# Altium PCB button_PVT_P5_201800706.PcbDoc
Units mm, origin at the board's own origin, x right, y up, seen from the top; angles counter-clockwise.
Board outline 28.62 x 28.62 mm, 2 copper layers (Top Layer, Bottom Layer), stack 0.6 mm thick; 92 components, 56 nets, 266 pads, 249 vias.
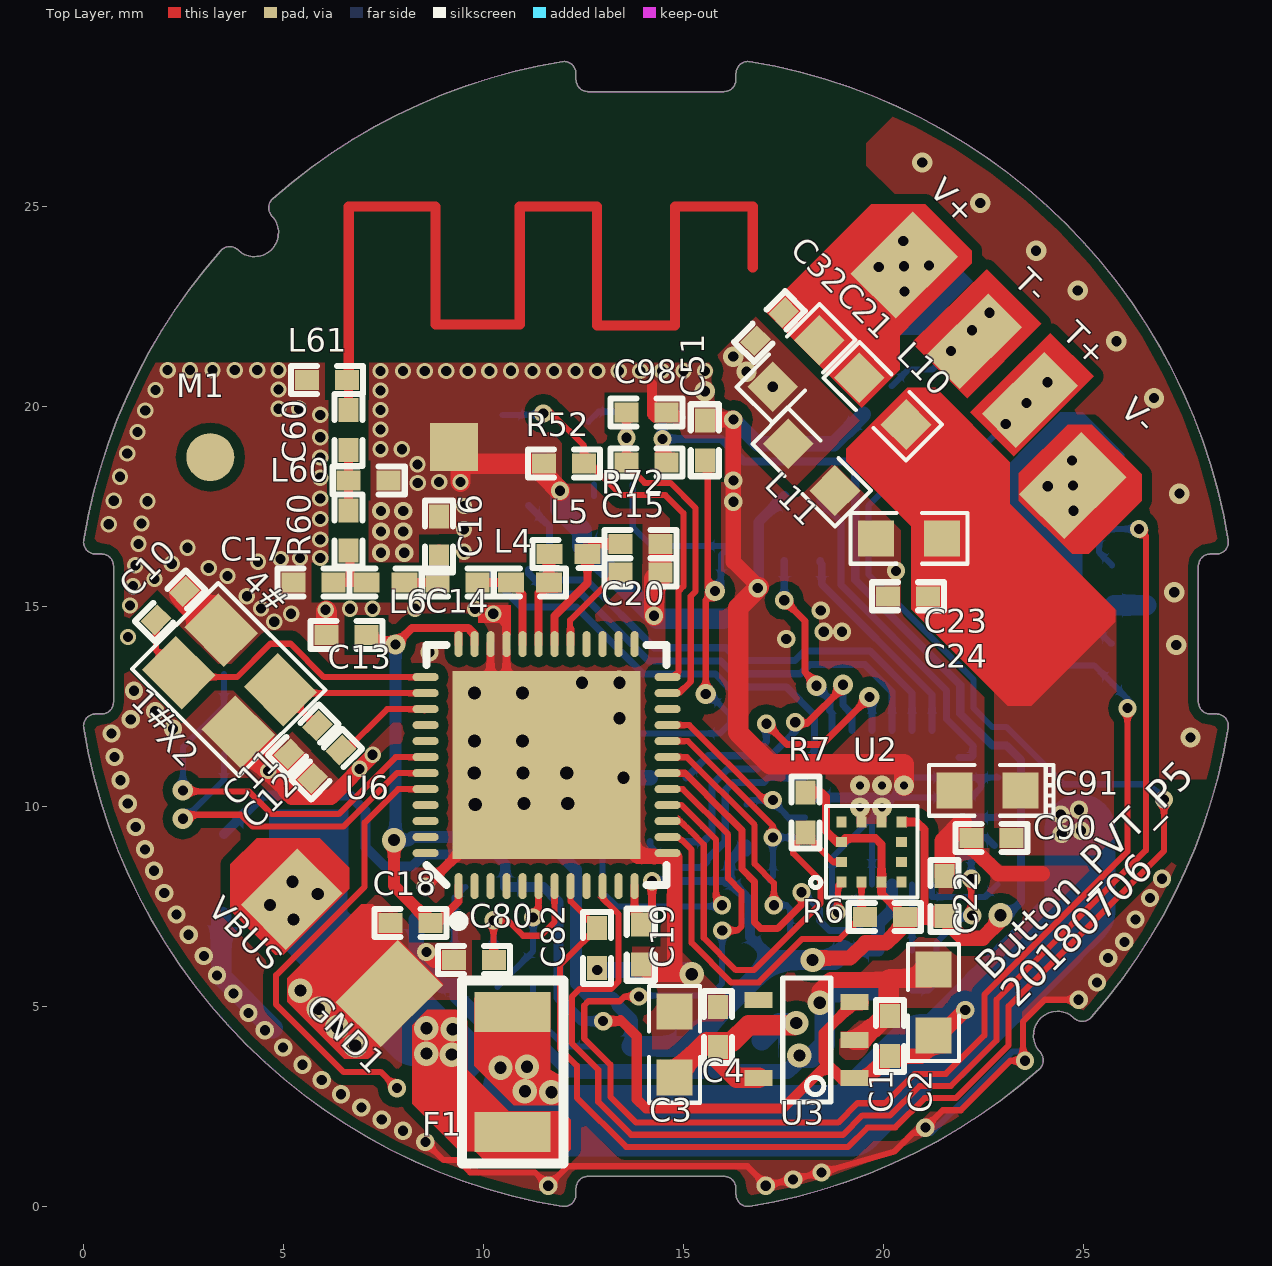
[diagram p0: Top Layer view]
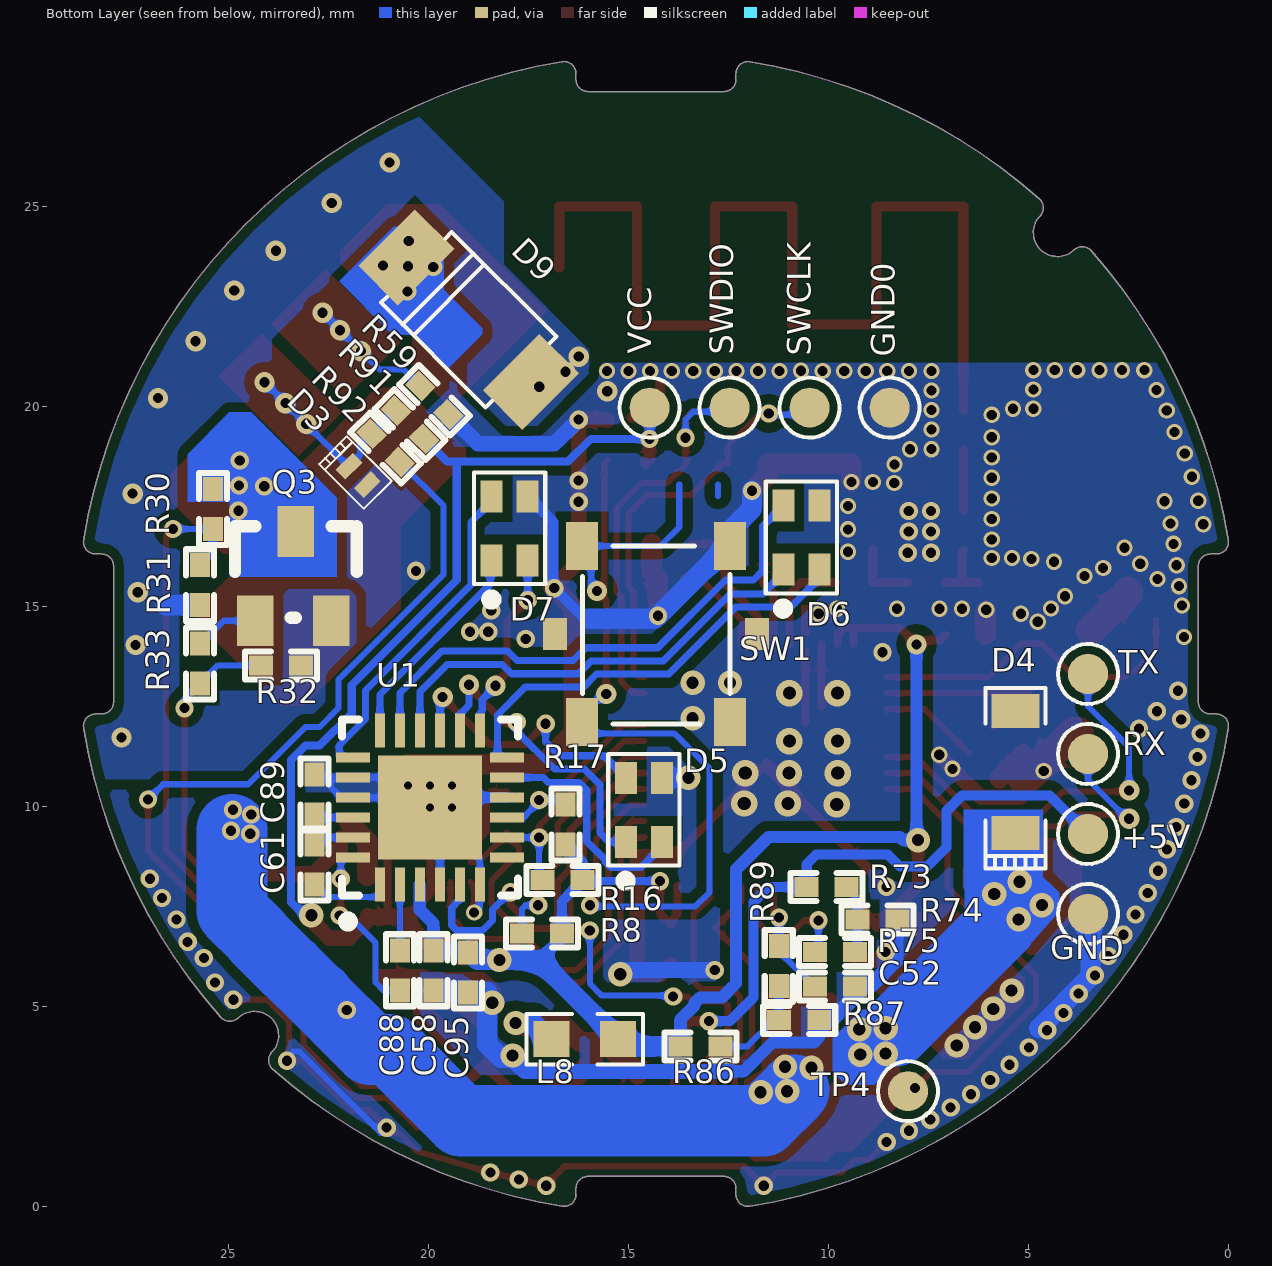
[diagram p1: Bottom Layer view, seen from below]
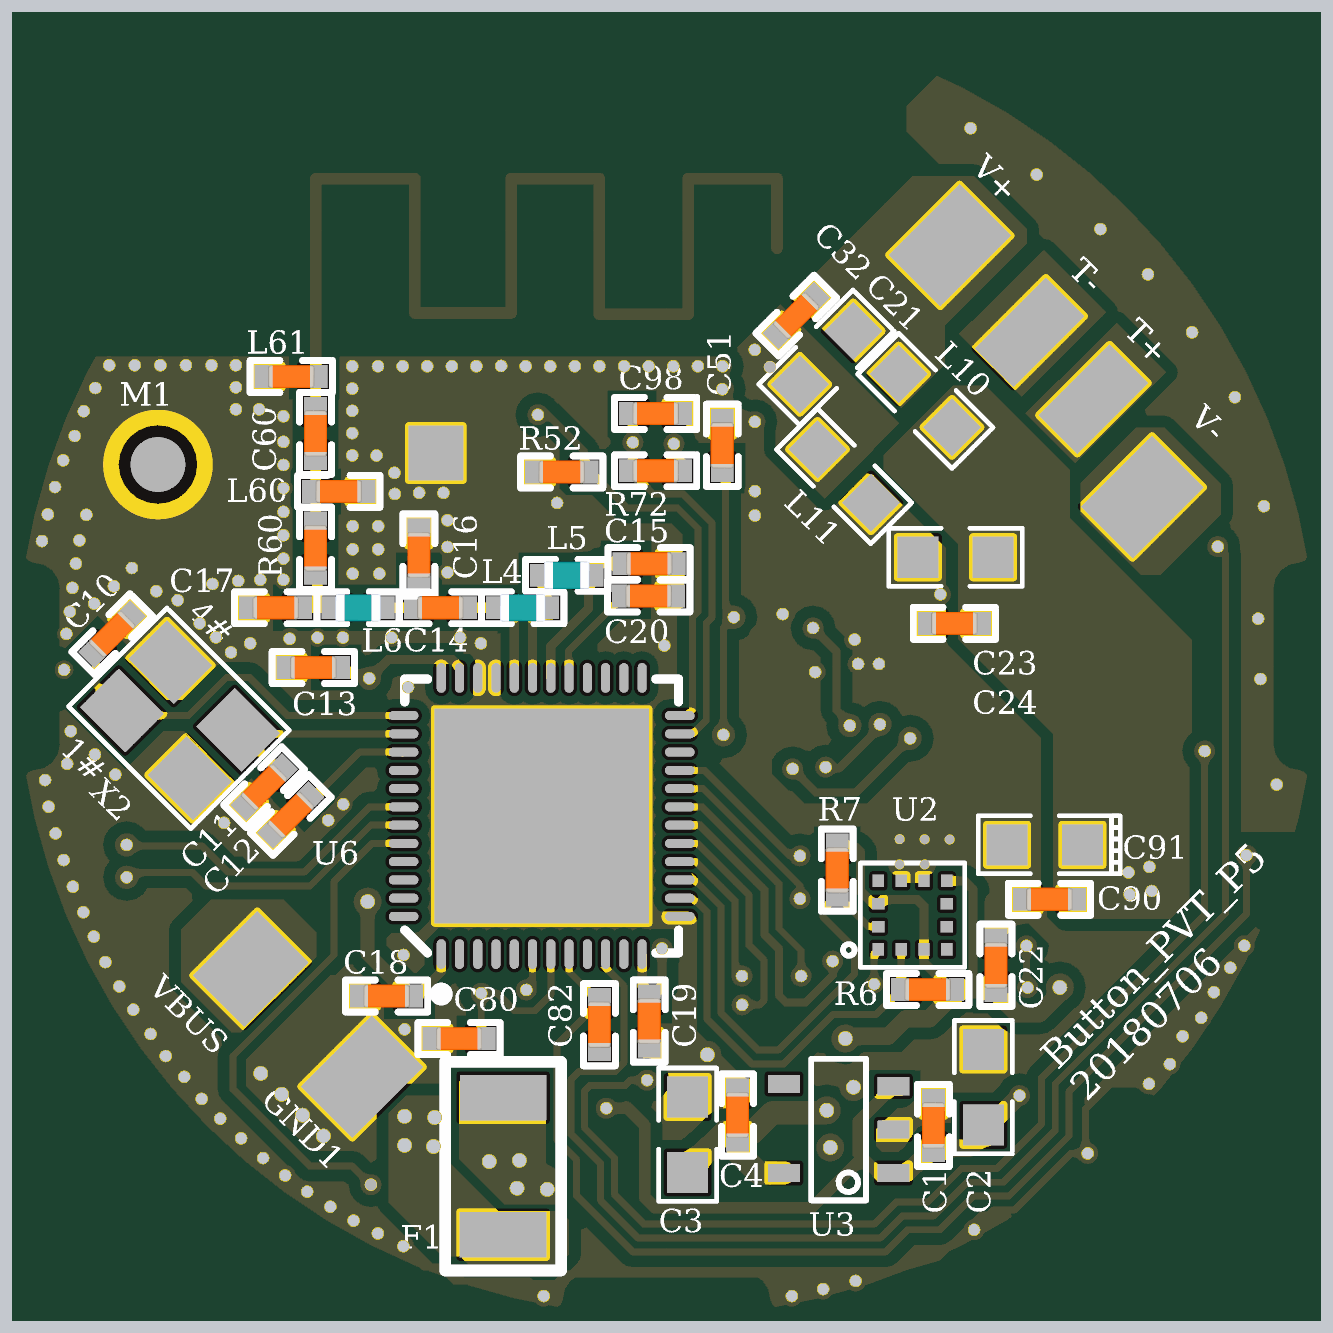
[diagram p2: 3D render of the assembled board from above, using the file's embedded part models]
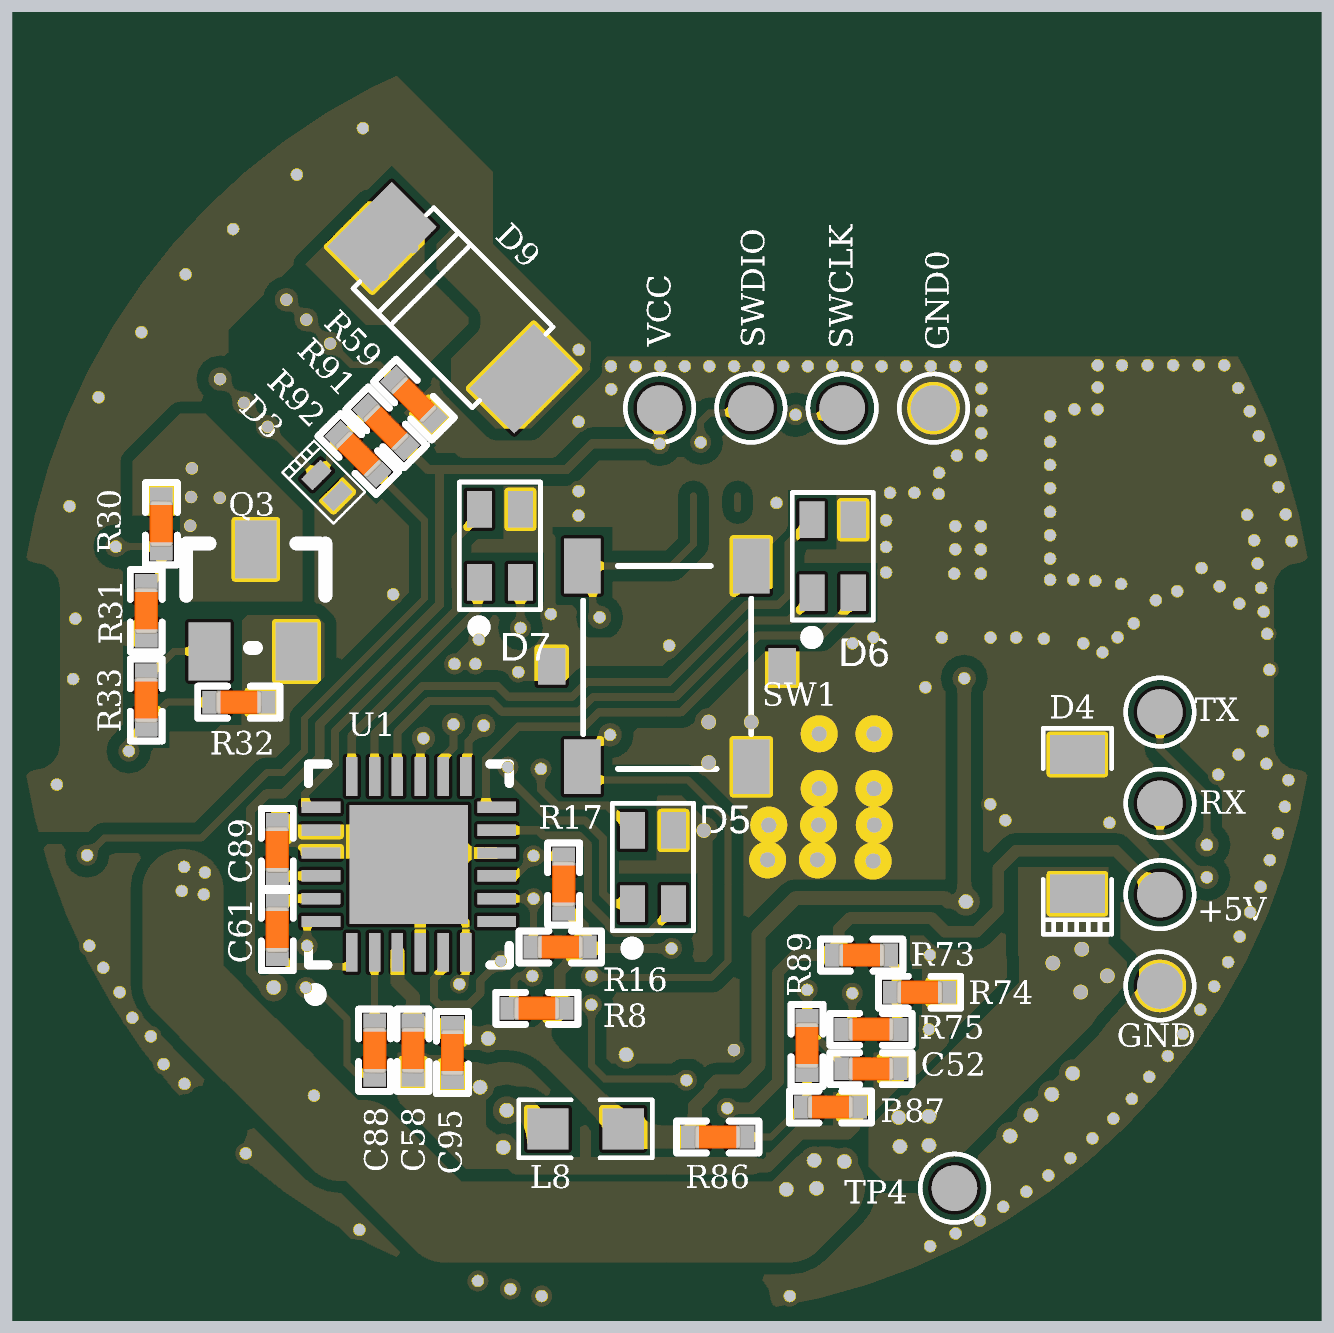
[diagram p3: 3D render of the assembled board from below, using the file's embedded part models]

## Layer stack, top to bottom
Top Solder: solder mask 0.1, Solder Resist, Dk 1.5
Top Layer: signal copper 0.15
Dielectric1: core 0.4, FR-4, Dk 1.8
Bottom Layer: signal copper 0.05
Bottom Solder: solder mask 0.1, Solder Resist, Dk 3.5

## Board outline
0.014,11.974 cw(c0.31,12.022) 0.31,12.322 0.461,12.322 ccw(c0.461,12.622) 0.761,12.622 0.761,16.022 ccw(c0.461,16.022) 0.461,16.322 0.31,16.322 cw(c0.31,16.622) 0.014,16.671 cw(c14.322,14.322) 3.44,23.905 cw(c3.665,23.707) 3.873,23.923 3.873,23.924 ccw(c4.287,24.357) 4.721,24.772 cw(c4.938,24.979) 4.739,25.204 cw(c14.322,14.322) 11.974,28.631 cw(c12.022,28.335) 12.322,28.335 12.322,28.184 ccw(c12.622,28.184) 12.622,27.884 16.022,27.884 ccw(c16.022,28.184) 16.322,28.184 16.322,28.335 cw(c16.622,28.335) 16.671,28.631 cw(c14.322,14.322) 28.631,16.671 cw(c28.335,16.622) 28.335,16.322 28.184,16.322 ccw(c28.184,16.022) 27.884,16.022 27.884,12.622 ccw(c28.184,12.622) 28.184,12.322 28.335,12.322 cw(c28.335,12.022) 28.631,11.974 cw(c14.322,14.322) 25.204,4.739 cw(c24.979,4.938) 24.772,4.721 ccw(c24.357,4.287) 23.924,3.873 23.923,3.873 cw(c23.707,3.665) 23.905,3.44 cw(c14.322,14.322) 16.671,0.014 cw(c16.622,0.31) 16.322,0.31 16.322,0.461 ccw(c16.022,0.461) 16.022,0.761 12.622,0.761 ccw(c12.622,0.461) 12.322,0.461 12.322,0.31 cw(c12.022,0.31) 11.974,0.014 cw(c14.322,14.322)

## Design rules (kind name [scope] priority, off if disabled: settings)
Clearance Polygon_ANT [(InNamedPolygon('Top_Layer-GND')) or (InNamedPolygon('Bottom_Layer-GND')) vs InNet('NetC6_1')] p1 off: gap=0.152
Clearance Polygon [InPolygon] p2: gap=0.254
Clearance [All] p3: gap=0.15
ComponentClearance [All] p1 off: gap=0.254 collisioncheckmode=3 verticalgap=0.254 showdistances=FALSE
FabricationTestPointUsage TestPointUsage [All] p1: valid=0 allowmultiple=FALSE
FabricationTestpoint Testpoint [All] p1: side=3 testpointundercomponent=TRUE minsize=1.016 maxsize=2.54 preferedsize=1.524 minholesize=0 maxholesize=1.016 preferedholesize=0.813 testpointgrid=0.025 allowsidetop=TRUE allowsidebottom=TRUE usegrid=TRUE gridtolerance=0
Height [All] p1 off: minheight=0 maxheight=25.4 prefheight=12.7
HoleSize [All] p1: absolutevalues=TRUE maxlimit=4.064 minlimit=0.254 maxpercent=80.000 minpercent=20.000
MinimumAnnularRing [All] p1 off: minimumring=0.152
PlaneConnect [All] p1: planeconnectstyle=Direct reliefexpansion=0.508 reliefentries=4 reliefconductorwidth=0.381 reliefairgap=0.254
PolygonConnect PolygonConnect_1 [isVia and innet(gnd)] p1: connectstyle=Direct reliefconductorwidth=0.254 reliefentries=4 polygonreliefangle="90 Angle" airgapwidth=0.254
PolygonConnect [All] p2: connectstyle=Direct reliefconductorwidth=0.508 reliefentries=4 polygonreliefangle="90 Angle" airgapwidth=0.254
RoutingVias [All] p1: holewidth=0.406 width=0.813 viastyle="Through Hole" minholewidth=0.254 minwidth=0.254 maxholewidth=0.711 maxwidth=1.27
SilkToSolderMaskClearance SilkscreenOverComponentPads [IsPad] p1: minsilkscreentomaskgap=0.254 clearancetoexposedcopper=TRUE
SolderMaskExpansion [All] p1: expansion=0.076
Width [All] p1: maxlimit=2.54 minlimit=0.152 preferedwidth=0.152
23 further rules are at their usual default settings.

## Classes and differential pairs
component class LED: C58 C61 C88 C89 C95 D5 D6 D7 U1
component class button_peripheral: +5V C1 C2 C3 C4 C21 C22 C23 C24 C32 C51 C80 C90 C91 D4 D9 F1 GND1 GND_ L8 L10 L11 Q3 R30 R31 R32 R33 R73 R74 R75 SW1 TP27 U2 U3 V+ V- VBUS
component class button_mcu: 30 30mil C10 C11 C12 C13 C14 C15 C16 C17 C18 C19 C20 C52 C60 C82 C98 D3 GND GND0 L4 L5 L6 L60 L61 M1 R6 R7 R8 R16 R17 R52 R59 R60 R72 R86 R87 R89 R91 R92 RX SWCLK SWDIO T+ T- TP3 TP4 TP20 TP21 TP22 TX U6 VCC X2

## Components (designator, comment, footprint, x,y, rotation, side; value= is the part's Value field where it differs from the comment)
+5V "TP" TESTPOINT2 3.522,9.322 r90 bottom
C1 "0.1uF/10V" 0402C#1 20.168,4.267 r90 top
C2 "10uF/10V" 0603C 21.26,5.105 r90 top
C3 "10uF/10V" 0603C 14.783,4.064 r90 top
C4 "0.1uF/10V" 0402C#1 15.875,4.496 r90 top
C10 "12pF" CAPC1005X04L 2.178,15.03 r45 top
C11 "12pF" CAPC1005X04L 5.505,11.677 r225 top
C12 "100nF" CAPC1005X04L 6.089,11.067 r45 top
C13 "1.0nF" CAPC1005X04L 6.582,14.296 r180 top
C14 "2.2pF" CAPC1005X04L 9.366,15.607 r180 top
C15 "2.2nF" CAPC1005X04L 13.938,16.572 r0 top
C16 "1.0pF" CAPC1005X04L 8.895,16.763 r90 top
C17 "1.5pF" CAPC1005X04L 5.759,15.607 r180 top
C18 "100nF" CAPC1005X04L 8.19,7.101 r180 top
C19 "100nF" CAPC1005X04L 13.941,6.554 r270 top
C20 "47nF" CAPC1005X04L 13.93,15.864 r0 top
C21 "22uF/25V" 0603C 17.823,21.086 r225 top
C22 "1uF/10V" 0402C#1 21.536,7.776 r90 top
C23 "22uF/25V" 0603C 20.65,16.713 r180 top
C24 "1uF/50V" 0402C#1 20.625,15.265 r180 top
C32 "1uF/50V" 0402C#1 17.163,22.008 r225 top
C51 "0.1uF/10V" 0402C#1 15.541,19.166 r270 top
C52 "0.1uF/10V" 0402C#1 9.852,5.508 r0 bottom
C58 "1uF" 0402C#1 19.885,5.915 r270 bottom
C60 "2.2pF" 0402C#1 6.632,19.426 r90 top
C61 "0.47uF" 0402C#1 22.857,8.556 r90 bottom
C80 "0.1uF/10V" 0402C#1 9.776,6.169 r180 top
C82 "0.1uF/10V" 0402C#1 12.849,6.474 r90 top
C88 "0.47uF" 0402C#1 20.723,5.915 r270 bottom
C89 "1uF" 0402C#1 22.857,10.309 r270 bottom
C90 "1uF/10V" 0402C#2 22.708,9.22 r180 top
C91 "10uF/10V" TAN_0603 22.606,10.414 r180 top
C95 "0.1uF" 0402C#1 19.021,5.864 r270 bottom
C98 "150p/10V" 0402C#2 14.082,19.863 r180 top
D3 "ESD5451N" DFN1006-2L 21.768,18.288 r225 bottom
D4 "RSA5M" SOD-123 5.331,10.869 r270 bottom
D5 "RGB3528" 19-237B/R6GHBHC-C01/2T 14.627,9.928 r270 bottom locked
D6 "RGB3528" 19-237B/R6GHBHC-C01/2T 10.69,16.735 r270 bottom locked
D7 "RGB3528" 19-237B/R6GHBHC-C01/2T 17.98,16.964 r270 bottom locked
D9 "VS9V0UA1LAM" SOD_128 20.561,23.736 r225 bottom
F1 "2A" "1206-FUSE - duplicate" 10.741,3.375 r90 top
GND "TP" TESTPOINT2 3.522,7.322 r90 bottom
GND0 "TP" TESTPOINT2 8.482,19.979 r90 bottom
GND1 "TP" TESTPOINT_PAD#1 7.65,5.333 r90 top
L4 "4.7nH" INDC1005X04L 11.169,15.607 r180 top
L5 "10nH" INDC1005X04L 12.135,16.318 r180 top
L6 "3.3nH" INDC1005X04L 7.563,15.607 r180 top
L8 "600R-1.5A" L_0603 16.104,4.191 r0 bottom
L10 "600R-1.5A" L_0603 19.99,20.142 r315 top
L11 "600R-1.5A" L_0603 18.212,18.491 r315 top
L60 "NC" 0402R 7.14,18.156 r180 top
L61 "NC" 0402R 6.099,20.671 r0 top
M1 "MARK" "Mark Point" 3.18,18.744 r0 top
Q3 "MOSFET-N" TSMT3 23.39,15.77 r180 bottom
R6 "4.7K 1%" 0402R 20.041,7.244 r180 top
R7 "4.7K1%" 0402R 18.06,9.86 r270 top
R8 "1K 5%" 0402R 17.17,6.833 r0 bottom
R16 "4.7K 1%" 0402R 16.659,8.175 r0 bottom
R17 "4.7K1%" 0402R 16.583,9.555 r90 bottom
R30 "4.7K" 0402R 25.397,17.446 r90 bottom
R31 "1K" 0402R 25.727,15.541 r90 bottom
R32 "1K" 0402R 23.698,13.538 r180 bottom
R33 "1K" 0402R 25.727,13.586 r270 bottom
R52 "12K/5%" 0402R 12.025,18.582 r180 top
R59 "0" 0402R 19.863,20.168 r45 bottom
R60 "0" 0402R 6.632,16.912 r90 top
R72 "1K/5%" 0402R 14.082,18.607 r0 top
R73 "300K" 0402R 10.055,7.998 r0 bottom
R74 "150K 1%" 0402R 8.785,7.185 r0 bottom
R75 "200K 1%" 0402R 9.852,6.372 r180 bottom
R86 "150K 1%" 0402R 13.208,4.013 r0 bottom
R87 "150K 1%" 0402R 10.741,4.67 r0 bottom
R89 "200K 1%" 0402R 11.252,6.02 r270 bottom
R91 "15K 1%" 0402R 20.472,19.558 r45 bottom
R92 "200K 1%" 0402R 21.082,18.974 r225 bottom
RX "TP" TESTPOINT2 3.522,11.322 r90 bottom
SW1 "Switch_1" KEY_Panasonic 14.322,14.322 r0 bottom locked
SWCLK "TP" TESTPOINT2 10.482,19.979 r90 bottom
SWDIO "TP" TESTPOINT2 12.482,19.979 r180 bottom
T+ "TP" TESTPOINT_PAD#2 23.673,20.176 r90 top
T- "TP" TESTPOINT_PAD#2 22.276,21.641 r90 top
TP4 "TP" TESTPOINT2 8.023,2.892 r90 bottom
TX "TP" TESTPOINT2 3.522,13.322 r90 bottom
U1 "LP55231" WQFN24 19.974,9.984 r90 bottom locked
U2 "DS_DA226" LGA-12 19.711,8.873 r90 top
U3 "TLV733P" SOT-23-5 19.291,4.176 r180 top
U6 "nRF51822QFAA" QFN40P600X600X90-48N 11.586,11.045 r90 top
V+ "TP" TESTPOINT_PAD#3 20.528,23.545 r225 top
V- "TP" TESTPOINT_PAD#3 24.744,18.033 r225 top
VBUS "TP" TESTPOINT_PAD#4 5.212,7.695 r90 top locked
VCC "TP" TESTPOINT2 14.482,19.979 r90 bottom
X2 "16MHz" XTAL/3225 2.391,13.356 r315 top

## Footprints (in the part's own frame and the unit in brackets; to place one, negate y for a bottom-side part, rotate by r counter-clockwise, add the part's x,y. Pads: shape width x height; smd on the part's side, far side on the other; paste and mask are expansions set on the pad)
19-237B/R6GHBHC-C01/2T [mm]
  rect 0.8x0.55 smd: 1(0.8,-0.45) 2(0.8,0.45) 3(-0.8,-0.45) 4(-0.8,0.45)
  silkscreen extent -1.4,-0.89 1.9,0.89, body extent -1.28,-0.8 1.28,0.8, height 0.4
0402C#1 [mm]
  rect 0.6x0.5 smd: 1(-0.5,0) 2(0.5,0)
  silkscreen extent -0.9,-0.35 0.9,0.35, body extent -0.51,-0.25 0.51,0.25, height 0.5
0402C#2 [mm]
  rect 0.6x0.5 smd: 1(-0.5,0) 2(0.5,0)
  Top Layer pour cut-out: -0.2,0.254 0.2,0.254 0.2,-0.254 -0.2,-0.254
  silkscreen extent -0.9,-0.35 0.9,0.35, body extent -0.51,-0.25 0.51,0.25, height 0.5
0402R [mm]
  rect 0.6x0.5 smd: 1(-0.5,0) 2(0.5,0)
  silkscreen extent -0.9,-0.35 0.9,0.35, body extent -0.51,-0.25 0.51,0.25, height 0.5
0603C [mm]
  rect 0.9x0.9 smd: 1(-0.826,0) 2(0.825,0)
  silkscreen extent -1.46,-0.64 1.46,0.64, body extent -1.38,-0.55 1.38,0.55, height 0.9
"1206-FUSE - duplicate" [mm]
  rect 1x1.9 smd: 1(1.5,0) 2(-1.5,0)
  silkscreen extent -2.29,-1.27 2.29,1.27, body extent -2.43,-1.2 2.48,1.2, height 1.4
CAPC1005X04L [mm] "Chip Capacitor, 2-Leads, Body 1.0x0.5mm, IPC High Density"
  rect 0.6x0.5 smd: 1(-0.5,0) 2(0.5,0)
  silkscreen extent -0.9,-0.35 0.9,0.35, body extent -0.51,-0.25 0.51,0.25, height 0.5
DFN1006-2L [mm] "DFN, 2-Leads, Body 0.61x1.01mm, Pitch 0.65mm, IPC Medium Density"
  rect 0.35x0.6 smd: 1(-0.325,0) 2(0.325,0)
  silkscreen extent -0.89,-0.49 0.69,0.49, body extent -0.54,-0.34 0.54,0.34, height 0.53
INDC1005X04L [mm] "Chip Inductor, 2-Leads, Body 1.0x0.5mm, IPC High Density"
  rect 0.65x0.5 smd: 1(-0.475,0) 2(0.475,0)
  silkscreen extent -0.9,-0.35 0.9,0.35, body extent -0.5,-0.3 0.5,0.3, height 0.5
KEY_Panasonic [mm]
  rect 0.8x1.2 smd: 1(1.85,-2.2) 2(1.85,2.2) 3(-1.85,2.2) 4(-1.85,-2.2)
  rect 0.6x0.8 smd: ""(-2.525,0) ""(2.525,0)
  silkscreen extent -1.85,-2.2 1.83,2.25, body extent -2.9,-2.88 2.9,2.88, height 1.7
L_0603 [mm]
  rect 0.9x0.9 smd: 1(-0.826,0) 2(0.826,0)
  silkscreen extent -1.46,-0.64 1.46,0.64, body extent -1.38,-0.55 1.38,0.55, height 0.9
LGA-12 [mm]
  rect 0.275x0.25 smd: 1(-0.75,0.75) 2(-0.75,0.25) 3(-0.75,-0.25) 4(-0.75,-0.75) 7(0.75,-0.75) 8(0.75,-0.25) 9(0.75,0.25) 10(0.75,0.75)
  rect 0.25x0.275 smd: 5(-0.25,-0.75) 6(0.25,-0.75) 11(0.25,0.75) 12(-0.25,0.75)
  silkscreen extent -1.14,-1.14 1.14,1.52, body extent -0.99,-0.99 0.99,0.99, height 1.2
"Mark Point" [mm]
  round 1.2 smd: 4(0,0)
  round 2.4 on Top Solder: 5(0,0)
QFN40P600X600X90-48N [mm] "QFN, 48-Leads, Body 6,0x6,0mm (max), Pitch 0,40mm, IPC Medium Density"
  oval 0.65x0.2 smd: 1(-3.025,2.2) 2(-3.025,1.8) 3(-3.025,1.4) 4(-3.025,1) 5(-3.025,0.6) 6(-3.025,0.2) 7(-3.025,-0.2) 8(-3.025,-0.6) 9(-3.025,-1) 10(-3.025,-1.4) 11(-3.025,-1.8) 12(-3.025,-2.2) 25(3.025,-2.2) 26(3.025,-1.8) 27(3.025,-1.4) 28(3.025,-1) 29(3.025,-0.6) 30(3.025,-0.2) 31(3.025,0.2) 32(3.025,0.6) 33(3.025,1) 34(3.025,1.4) 35(3.025,1.8) 36(3.025,2.2)
  oval 0.2x0.65 smd: 13(-2.2,-3.025) 14(-1.8,-3.025) 15(-1.4,-3.025) 16(-1,-3.025) 17(-0.6,-3.025) 18(-0.2,-3.025) 19(0.2,-3.025) 20(0.6,-3.025) 21(1,-3.025) 22(1.4,-3.025) 23(1.8,-3.025) 24(2.2,-3.025) 37(2.2,3.025) 38(1.8,3.025) 39(1.4,3.025) 40(1,3.025) 41(0.6,3.025) 42(0.2,3.025) 43(-0.2,3.025) 44(-0.6,3.025) 45(-1,3.025) 46(-1.4,3.025) 47(-1.8,3.025) 48(-2.2,3.025)
  rect 4.7x4.7 smd: 49(0,0)
  silkscreen extent -4.02,-3 3,3, body extent -3,-3 3,3, height 0.9
SOD-123 [mm]
  rect 0.85x1.2 smd: 1(1.525,0) 2(-1.525,0)
  silkscreen extent -2.1,-0.75 2.41,0.75, body extent -2.05,-0.7 2.05,0.7, height 0.8
SOD_128 [mm]
  rect 1.4x2 smd: 1(0,0) 2(4.4,0)
  silkscreen extent 0.35,-1.25 4.05,1.25, body extent 0.31,-1.28 4.11,1.32, height 0.95
SOT-23-5 [mm]
  rect 0.7x0.4 smd: 1(0,0.95) 2(0,0) 3(0,-0.95) 4(2.4,-1) 5(2.4,0.95)
  silkscreen extent 0.6,-1.55 1.8,1.55, body extent -0.45,-1.3 2.85,1.25, height 1.45
TAN_0603 [mm]
  rect 0.9x0.9 smd: 1(-0.826,0) 2(0.826,0)
  silkscreen extent -1.65,-0.64 1.46,0.64, body extent -1.38,-0.55 1.38,0.55, height 0.9
TESTPOINT2 [mm]
  round 1 smd: 1(0,0)
  silkscreen extent -0.75,-0.75 0.75,0.75, body extent -0.6,-0.6 0.6,0.6, height 0.1
TESTPOINT_PAD#1 [mm]
  rect 2.2x1.6 smd rot 135: 1(0,0)
  body extent -1.45,-1.45 1.45,1.45, height 0.1
TESTPOINT_PAD#2 [mm]
  rect 2.2x1.2 smd rot 135: 1(0,0)
  body extent -1.31,-1.31 1.31,1.31, height 0.1
TESTPOINT_PAD#3 [mm]
  rect 2.2x1.6 smd: 1(0,0)
  body extent -1.18,-0.88 1.18,0.88, height 1
TESTPOINT_PAD#4 [mm]
  rect 2x1.6 smd rot 135: 1(0,0)
  body extent -1.52,-1.52 1.52,1.52, height 0.1
TSMT3 [mil]
  rect 36x50 smd: 1(-37.5,-44) 2(37.5,-44) 3(2.5,44)
  silkscreen extent -58,-41 63,49, body extent -60,-73 60,73, height 39
WQFN24 [mm] "QFN, 24-Leads, Body 4.00x4.00mm, Pitch 0.50mm, Thermal Pad 2.60x2.60mm, IPC Medium Density"
  rect 0.85x0.25 smd: 1(-1.925,1.25) 2(-1.925,0.75) 3(-1.925,0.25) 4(-1.925,-0.25) 5(-1.925,-0.75) 6(-1.925,-1.25) 13(1.925,-1.25) 14(1.925,-0.75) 15(1.925,-0.25) 16(1.925,0.25) 17(1.925,0.75) 18(1.925,1.25)
  rect 0.25x0.85 smd: 7(-1.25,-1.925) 8(-0.75,-1.925) 9(-0.25,-1.925) 10(0.25,-1.925) 11(0.75,-1.925) 12(1.25,-1.925) 19(1.25,1.925) 20(0.75,1.925) 21(0.25,1.925) 22(-0.25,1.925) 23(-0.75,1.925) 24(-1.25,1.925)
  rect 2.6x2.6 smd: 25(0,0)
  silkscreen extent -2.97,-2.2 2.2,2.2, body extent -2.05,-2.05 2.05,2.05, height 0.8
XTAL/3225 [mm]
  rect 1.4x1.2 smd: 1(0,0) 2(2.1,0) 3(2.1,1.5) 4(0,1.5)
  silkscreen extent -0.89,-0.76 2.9,2.29, body extent -0.8,-0.7 2.9,2.2, height 0.8
